# Altium PCB Motherboard.PcbDoc (continued)
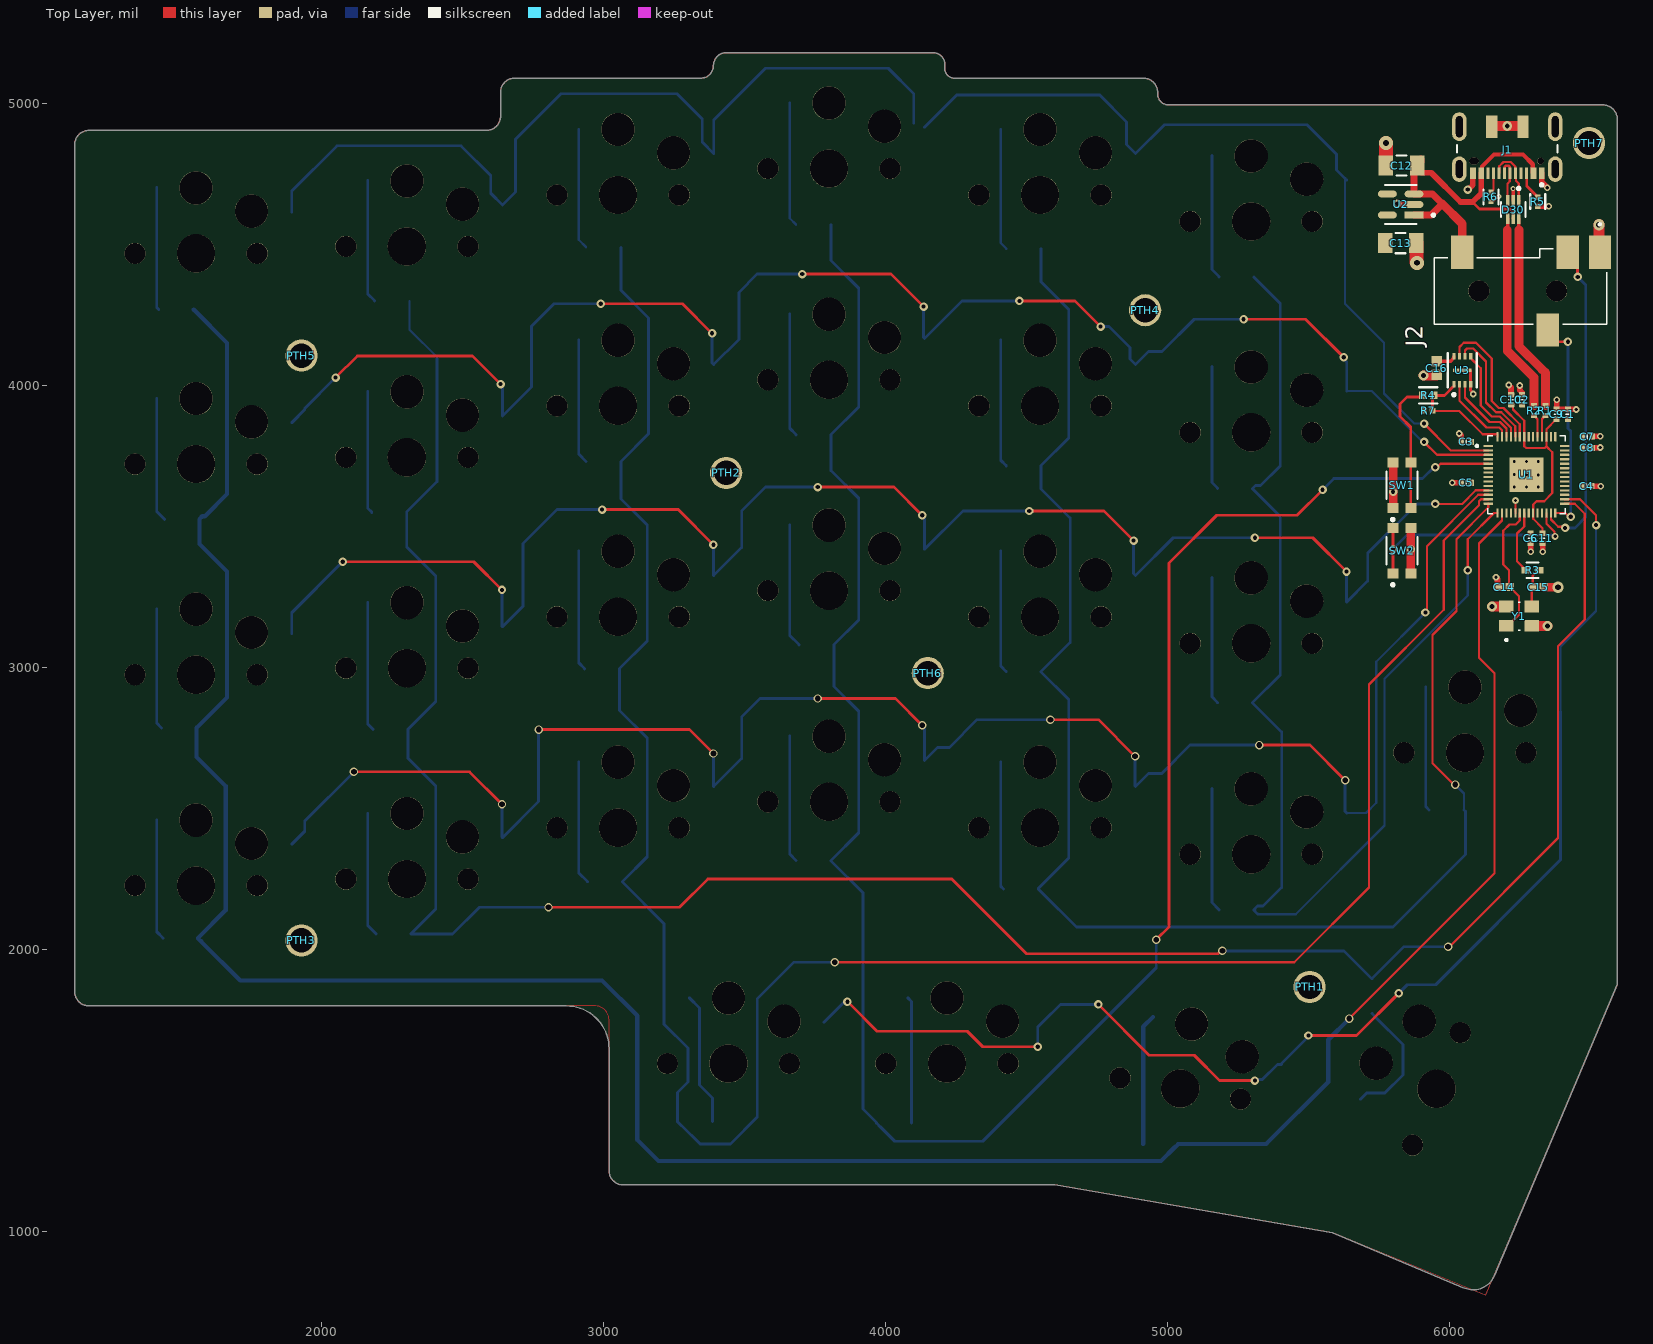
[diagram p0: Top Layer view]
## Footprints (in the part's own frame and the unit in brackets; to place one, negate y for a bottom-side part, rotate by r counter-clockwise, add the part's x,y. Pads: shape width x height; smd on the part's side, far side on the other; paste and mask are expansions set on the pad)
CAPC0402(1005)60_L [mm] "Chip Capacitor, Body 1.0x0.5mm, Height 0.6mm, IPC High Density"
  rrect25% 0.5x0.55 smd: 1(-0.45,0) 2(0.45,0)
  silkscreen extent 0,-0.2 0,0.2, body extent -0.5,-0.25 0.5,0.25, height 0.6
CAPC1005X60X26ML10T16 [mm] "Chip Capacitor, 2-Leads, Body 1.00x0.50mm, IPC Low Density"
  rect 0.78x0.74 smd: 1(-0.49,0) 2(0.49,0)
  body extent -0.55,-0.3 0.55,0.3, height 0.6
CAPC1608X90X40NL10T20 [mm] "Chip Capacitor, 2-Leads, Body 1.70x0.90mm, IPC Medium Density"
  rect 0.95x0.95 smd: 1(-0.625,0) 2(0.625,0)
  body extent -0.85,-0.45 0.85,0.45, height 0.9
CUI_SJ-43514-SMT-TR [mm]
  rect 2x3 smd: 1(0,0) 2(12.4,0) 3(4.7,7) 4(2.9,0)
  round 1.9 hole 1.9 unplated: ""(3.9,3.5) ""(10.9,3.5)
  silkscreen extent -0.6,-2.6 14.9,6.5, body extent -2.09,-1.02 15.04,7.98, height 5.04
FP-1206-L_3_2_0_2-W_1_6_0-IPC_B [mil]
  rect 51.36x71.11 smd paste+0 mask+0: 1(-55.15,0) 2(55.15,0)
  silkscreen extent -18,-36 18,36, body extent -91,-45 91,45, height 10
FP-DX07S016JA1R1500-MFG [mm]
  rrect100% 1.3x2.3 hole 1.6 slot 0.6 at 0 deg paste-2539.97 mask+0: 1(-4.32,2.825) 2(4.32,2.825)
  rrect100% 1.3x2.6 hole 1.9 slot 0.6 at 0 deg paste-2539.97 mask+0: 3(-4.32,-1) 6(4.32,-1)
  rect 1x2 smd paste+0 mask+0: 4(-1.4,-1) 5(1.4,-1)
  rect 0.52x1 smd paste+0 mask+0: A1/B12(-3.1,3.2) A4/B9(-2.35,3.2) A12/B1(3.1,3.2) B4/A9(2.35,3.2)
  rect 0.27x1 smd paste+0 mask+0: A5(-1.75,3.2) A6(-0.25,3.2) A7(0.75,3.2) A8(1.75,3.2) B5(1.25,3.2) B6(0.25,3.2) B7(-0.75,3.2) B8(-1.25,3.2)
  round 0.6 hole 0.6 unplated paste-2539.97 mask+0: ""(-3,2.1)
  rrect100% 0.85x0.6 hole 0.6 slot 0.85 at 0 deg unplated paste-2539.97 mask+0: ""(3,2.1)
  silkscreen extent -4.52,0.67 4.52,4.37, body extent -5.07,-3.75 5.07,4.08, height 0.25
FP-KMR631NG_ULC_LFS-MFG [mm]
  rect 0.9x1 smd paste+0 mask+0: 1(-2.05,0.8) 2(2.05,0.8) 3(-2.05,-0.8) 4(2.05,-0.8)
  silkscreen extent -3.2,-1.4 1.22,1.4, body extent -2.6,-1.5 2.6,1.5, height 0.25
FP-RN73R1E-IPC_C [mil]
  rect 19.2x18.6 smd paste+0 mask+0: 1(-16.3,0) 2(16.3,0)
  silkscreen extent -26,-27 26,27, body extent -30,-15 30,15, height 10
FP-SOD123-MFG [mm]
  rect 0.9x0.95 smd paste+0 mask+0: 1(-1.575,0) 2(1.575,0)
  silkscreen extent -2.75,-0.85 0.75,0.85, body extent -1.85,-0.77 1.85,0.77, height 1.45
FP-SOT25-IPC_A [mm]
  rect 1.707x0.616 smd paste+0 mask+0: 1(-1.201,0.95)
  rrect100% 1.707x0.616 smd paste+0 mask+0: 2(-1.201,0) 3(-1.201,-0.95) 4(1.201,-0.95) 5(1.201,0.95)
  silkscreen extent -3.08,-1.75 1.4,1.75, body extent -2.55,-2 2.55,2, height 0.25
FP-SOT-666-MFG [mm]
  rect 0.99x0.3 smd paste+0 mask+0: 1(-0.805,0.5) 2(-0.805,0) 3(-0.805,-0.5) 4(0.805,-0.5) 5(0.805,0) 6(0.805,0.5)
  silkscreen extent -2.02,-1.1 0.65,1.1, body extent -1.4,-0.95 1.4,0.95, height 0.25
FP-TFCR0402-IPC_A [mil]
  rect 26.19x26.48 smd paste+0 mask+0: 1(-19.83,0) 2(19.83,0)
  silkscreen extent -33,-29 33,29, body extent -41,-21 41,21, height 10
FP-TFCR0402-MFG [mm]
  rect 0.8x0.6 smd paste+0 mask+0: 1(-0.6,0) 2(0.6,0)
  silkscreen extent -0.53,-0.7 0.53,0.7, body extent -1.1,-0.4 1.1,0.4, height 0.25
FP-UX-MFG [mm]
  rect 0.6x0.3 smd paste-1000 mask-1000: 1(-1.25,0.75) 2(-1.25,0.25) 3(-1.25,-0.25) 4(-1.25,-0.75) 5(1.25,-0.75) 6(1.25,-0.25) 7(1.25,0.25) 8(1.25,0.75)
  rect 0.3x1.7 smd paste-1000 mask+0: 9(0,0)
  silkscreen extent -2.32,-1.3 1.55,1.3, body extent -1.75,-1.15 1.75,1.15, height 0.25
Mounting_Holes#1 [mm]
  round 2.9 hole 2.2: 1(-0.076,1.549)
Mounting_Holes#2 [mm]
  round 2.9 hole 2.2: 1(0,0)
Mounting_Holes#3 [mm]
  round 2.9 hole 2.2: 1(-0.203,-1.118)
Mounting_Holes#4 [mm]
  round 2.9 hole 2.2: 1(-3.632,14.453)
Mounting_Holes#5 [mm]
  round 2.9 hole 2.2: 1(-2.515,-1.499)
QFN40P700X700X90-57N [mm]
  rrect25% 0.84x0.2 smd mask+0.05: 2(-3.435,2.2) 3(-3.435,1.8) 4(-3.435,1.4) 5(-3.435,1) 6(-3.435,0.6) 7(-3.435,0.2) 8(-3.435,-0.2) 9(-3.435,-0.6) 11(-3.435,-1.4) 12(-3.435,-1.8) 13(-3.435,-2.2) 14(-3.435,-2.6) 29(3.435,-2.6) 30(3.435,-2.2) 31(3.435,-1.8) 32(3.435,-1.4) 34(3.435,-0.6) 35(3.435,-0.2) 36(3.435,0.2) 37(3.435,0.6) 38(3.435,1) 39(3.435,1.4) 40(3.435,1.8) 41(3.435,2.2) IOVDD(-3.435,-1) IOVDD(-3.435,2.6) IOVDD(3.435,-1) IOVDD(3.435,2.6)
  rrect25% 0.2x0.84 smd mask+0.05: 15(-2.6,-3.435) 16(-2.2,-3.435) 17(-1.8,-3.435) 18(-1.4,-3.435) 19(-1,-3.435) 20(-0.6,-3.435) 21(-0.2,-3.435) 24(1,-3.435) 25(1.4,-3.435) 26(1.8,-3.435) 27(2.2,-3.435) 28(2.6,-3.435) 43(2.6,3.435) 44(2.2,3.435) 45(1.8,3.435) 46(1.4,3.435) 47(1,3.435) 48(0.6,3.435) 51(-0.6,3.435) 52(-1,3.435) 53(-1.4,3.435) 54(-1.8,3.435) 55(-2.2,3.435) 56(-2.6,3.435) DVDD(-0.2,3.435) DVDD(0.6,-3.435) IOVDD(0.2,-3.435) IOVDD(0.2,3.435)
  rect 3.1x3.1 smd paste-0.57 mask+0.05: 57(0,0)
  silkscreen extent -4.57,-3.5 3.5,3.5, body extent -3.5,-3.5 3.5,3.5, height 0.9
RESC0402(1005)_L [mm] "Chip Resistor, Body 1.0x0.5mm, IPC High Density"
  rect 0.45x0.55 smd: 1(-0.45,0) 2(0.45,0)
  body extent -0.52,-0.27 0.53,0.28, height 0.4
RESC1005X40X25LL10T10 [mm] "Chip Resistor, 2-Leads, Body 1.00x0.50mm, IPC High Density"
  rect 0.55x0.5 smd: 1(-0.375,0) 2(0.375,0)
  body extent -0.55,-0.3 0.55,0.3, height 0.4
SW_5118 [mm]
  rect 2.6x2.6 smd: 1(-3.535,-5.926) 2(8.615,-3.726)
  round 1.902 hole 1.902 unplated: ""(-5.5,0) ""(5.5,0)
  round 3 hole 3 unplated: ""(0,-5.9) ""(5,-3.8)
  round 3.452 hole 3.452 unplated: ""(0,0)
  silkscreen extent -4.21,-8.25 7.56,-1.4, body extent -4.04,-8.25 9.12,-1.4, height 1.85
XTAL_ABM8-272-T3 [mm]
  rect 1.05x1.3 smd: 1(-0.875,1.15) 3(0.875,-1.15) GND(-0.875,-1.15) GND(0.875,1.15)
  silkscreen extent -2.24,-0.09 1.25,1.25, body extent -1.25,-1.6 1.25,1.6, height 0.7

## Part data
C1 C9: library part CMP-001-00063-3, "Chip Capacitor, 1µF +/-20%, 10V, 0402, Thickness 0.6 mm", Case/Package=0402, Max Operating Temperature=85°C, Min Operating Temperature=-55°C, Tolerance=10%, Voltage Rating=10V, Mounting Technology=SMT, Pins=2
C2 C3 C4 C5 C6 C7 C8 C10 C11: library part CMP-001-00065-4, "Chip Capacitor, 100nF +/-20%, 25V, 0402, Thickness 0.6 mm", Case/Package=0402, Max Operating Temperature=85°C, Min Operating Temperature=-55°C, Tolerance=10%, Voltage Rating=25V, Mounting Technology=SMT, Pins=2
C12 C13: library part CMP-04427-010925-1, "Automotive Ceramic Capacitor, 1206, 1uF, 5%, X7R, 15%, 50V", Case/Package=1206, Dielectric=X7R, Max Operating Temperature=125°C, Min Operating Temperature=-55°C, Package Quantity=2000, Ratings=AEC-Q200, Tolerance=5%, Voltage Rating=50V, Capacitance=1uF, Length=0.126inch, Mount="Surface Mount", Packaging="Tape and Reel", RoHS Compliant=Yes, Thickness=0.037inch, Voltage Rating (DC)=50V, Width=0.063inch
C14 C15: library part CMP-2008-01107-1, Manufacturer=Vitramon, Part Number=VJ0402A150JXAAP
C16: library part CMP-001-00017-6, "Chip Capacitor, 100 nF, +/- 10%, 50 V, 0603 (1608 Metric)", Capacitor Type=Ceramic, Case/Package=0603, Max Operating Temperature=125°C, Min Operating Temperature=-55°C, Tolerance=10%, Voltage Rating=50V, Mounting Technology=SM, Pins=2, RoHS Compliant=True
D1 D2 D3 D4 D5 D6 D7 D8 D9 D10 D11 D12 D13 D14 D15 D16 D17 D18 D19 D20 D21 D22 D23 D24 D25 D26 D27 D28 D29: library part CMP-12791-000005-1, "DIODE GEN PURP 100V 150MA SOD123", Capacitance=2pF, Forward Current=300mA, Manufacturer="Diodes Inc.", Max Junction Temp=+150°C, Max Repetitive Reverse Voltage=100V, Max Surge Forward Current=1A, Package=SOD123, Peak Reverse Current=1uA, Temperature="-65°C to +150°C", Temperature Range Low=-65°C, Automotive=No, Category=Diode, ComponentLink2Description=Datasheet, ComponentLink2URL=https://upverter.com/datasheet/628e7d6fee5901eee6eef4567d1c3569f2cd3cde.pdf, Device Class L1="Discrete Semiconductors", Device Class L2=Diodes, Device Class L3="Rectifier Diodes", Digikey Description="DIODE GEN PURP 100V 150MA SOD123", Footprint Url=https://www.diodes.com/assets/Package-Files/SOD123.pdf, Height=1.45mm, Lead Free=Yes, Manufacturer Part Number=1N4148W-13-F, Mouser Description="1N4148W Series 2 A 100 V 400 mW Surface Mount Fast Switching Diode - SOD-123", Octopart=https://octopart.com/1n4148w-13-f-diodes+inc.-2359612, Reverse Voltage=100V, RoHS=TRUE, Standoff Height=0mm, Temperature Range High=+150°C
D30: library part CMP-12225-000058-1, "TVS DIODE 5.25V 17V SOT666", Breakdown Voltage=6V, Capacitance=3.5pF, Case/Package=SOT-666, Clamping Voltage=17V, Leakage Current=150nA, Max Operating Temperature=125°C, Min Operating Temperature=-40°C, Operating Supply Voltage=5V, Package Quantity=1, Peak Pulse Current=5A, Power Line Protection=Yes, Test Current=1mA, Contact Plating=Tin, Depth=1.3mm, Direction=Unidirectional, Element Configuration=Dual, ESD Protection=Yes, Height=0.6mm, Lead Free="Lead Free", Length=1.7mm, Max Breakdown Voltage=6V, Max Reverse Leakage Current=150nA, Min Breakdown Voltage=6V, Mount="Surface Mount", Number of Bidirectional Channels=2, Number of Channels=2, Number of Elements=1, Number of Pins=6, Packaging="Tape and Reel", Polarity=Unidirectional, Radiation Hardening=No, REACH SVHC="No SVHC", Reverse Breakdown Voltage=6V, Reverse Standoff Voltage=5V, Termination=SMD/SMT, Width=1.3mm, Working Voltage=5V
J1: library part CMP-19038-000003-1, "CONN RCP USB2.0 TYP C 24P SMD RA"
J2: Package=None, Availability=Unavailable, MP=SJ-43514-SMT-TR, Price=None
R1 R2: library part CMP-1011-00332-1, "27R4 0.063W 1% 0402 (1005 Metric)  SMD", Case-EIA=0402, Case-Metric=1005, Power="0.063 W", Tolerance="1 %", Technology=SMT
R3: library part CMP-250906-284451-1, "RES Thin Film,  1kΩ, 0.1%, 0.063W, 25ppm/°C, 0402", RoHS Compliant=Yes
R4: library part CMP-250906-139306-1, "RES Thin Film,  1kΩ, 0.1%, 0.063W, 25ppm/°C, 0402"
R5 R6: library part CMP-04015-008529-1, "5.1kΩ ±1% 0.063W, 1/16W Chip Resistor 0402 (1005 Metric) Moisture Resistant Thin Film"
R7: library part CMP-2002-04584-1, Manufacturer="KOA Speer", Part Number=SG73P1ETTP1002F
S1 S2 S3 S4 S5 S6 S7 S8 S9 S10 S11 S12 S13 S14 S15 S16 S17 S18 S19 S20 S21 S22 S23 S24 S25 S26 S27 S28 S29: "SWITCH SKT FOR KAILH CHOC 1=10PC", Package="NON STANDARD-2 Adafruit", Check_prices=https://www.snapeda.com/parts/5118/Adafruit+Industries/view-part/?ref=eda, MF="Adafruit Industries LLC", MP=5118, SnapEDA_Link=https://www.snapeda.com/parts/5118/Adafruit+Industries/view-part/?ref=snap
SW1 SW2: library part CMP-10040-000019-1, "SWITCH TACTILE SPST-NO 50MA 32V", Max Operating Temperature=85°C, Min Operating Temperature=-40°C, Operating Force=300gf, Ratings=IP67, Actuator Type=Standard, Illumination Type=Non-Illuminated, Mechanical Life=150000Cycles, Mount="Surface Mount", Packaging="Tape and Reel", Switch Function=Off-Mom, Termination="Gull Wing", Throw Configuration=SPST
U1: "RP2040 chip for Raspberry Pi Pico - ARM® Cortex®-M0+ MCU 32-Bit", Package=None, Check_prices=https://www.snapeda.com/parts/RP2040/Raspberry+Pi/view-part/?ref=eda, MF="Raspberry Pi", MP=RP2040, SnapEDA_Link=https://www.snapeda.com/parts/RP2040/Raspberry+Pi/view-part/?ref=snap
U2: library part CMP-12756-000035-1, "IC REG LINEAR 3.3V 600MA SOT25", Case/Package=SOT-23-5, Dropout Voltage=250mV, Max Input Voltage=6V, Max Operating Temperature=85°C, Max Output Current=600mA, Min Input Voltage=2.5V, Min Operating Temperature=-40°C, Output Voltage=3.3V, Package Quantity=1, Quiescent Current=55uA, Accuracy=1.5%, Height=1.3mm, Lead Free="Lead Free", Length=3.1mm, Mount="Surface Mount", Number of Outputs=1, Number of Pins=5, Number of Regulators=1, Output Current=600mA, Output Type=Fixed, Packaging="Tape and Reel", Polarity=Positive, Width=1.7mm
U3: library part CMP-78876-000011-1, "IC FLASH 16MBIT SPI/QUAD 8USON", RoHS Compliant=Yes
Y1: "12 MHz Â±30ppm Crystal 10pF 50 Ohms 4-SMD, No Lead", Package="NON-STANDARD-4 Abracon", Check_prices=https://www.snapeda.com/parts/ABM8-272-T3/Abracon/view-part/?ref=eda, MF=ABRACON, MP=ABM8-272-T3, SnapEDA_Link=https://www.snapeda.com/parts/ABM8-272-T3/Abracon/view-part/?ref=snap

## Via types
v1: diameter 30, hole 15, Top Layer to Bottom Layer, 43 vias
v2: diameter 30, hole 20, Top Layer to Bottom Layer, 17 vias
v3: diameter 23.62, hole 11.81, Top Layer to Bottom Layer, 16 vias
v4: diameter 20, hole 10, Top Layer to Bottom Layer, 9 vias
v5: diameter 35, hole 17, Top Layer to Bottom Layer, 4 vias
v6: diameter 18, hole 8, Top Layer to Bottom Layer, 2 vias
v7: diameter 50, hole 20, Top Layer to Bottom Layer, 2 vias
v8: diameter 40, hole 20, Top Layer to Bottom Layer, 2 vias
v9: diameter 25, hole 12, Top Layer to Bottom Layer, 1 vias

## Nets (pads, with @x,y where several pads share a name; then routed paths per layer and width w, separated by ;. In a path a pad name is that pad's centre, name@x,y a point inside that pad or via, vN(x,y) a via of type N, cw(c..) or ccw(c..) an arc to the next point about the centre after c; other vN are vias at no path point)
+1.1V: C9.2 C10.2 C11.2 U1.45 U1.DVDD | length 734.8
  Top Layer w8: C10.2@6225,3932.28 6225,3915 6265.27,3874.73 6265.27,3818.54 6265.27,3784.73 6272,3778 6338,3778 6344.01,3784.01 ; C11.2 6330,3494 6296.83,3527.17 6296.83,3548 6296.76,3548.06 6296.83,3548.13 6296.83,3577.83 6309,3590 6336,3590 6365,3619 6365,3763.02 6344.01,3784.01 ; C9.2 6379.02,3880.28 6344.01,3845.28 U1.45 6344.01,3784.01
+3.3V: C1.1 C2.1 C3.1 C4.1 C5.1 C6.1 C7.1 C8.1 C13.1 C16.1 R7.2 U1.43 U1.44 U1.48 U1.IOVDD U2.5 U3.8 | length 71.3
  Top Layer w12: C16.1 6004.84,4086.61 6015.94,4097.71 U3.8
+5V: C12.1 D30.5 J1.A4/B9 J1.B4/A9 J2.2 U2.1 U2.3 | length 1390.8
  Top Layer w10: 6081.97,4650.97 6106.93,4626 6216,4626 6226,4616 D30.5 D30.5@6225.09,4593.21
  Top Layer w15: J1.B4/A9 6115.33,4755.38 6115.33,4776.33 6158,4819 6261,4819 6295.49,4784.51 6295.49,4754.79 J1.A4/B9
  Top Layer w20: C12.1 5885.15,4770.13 5900.83,4754.44 5935.56,4754.44 6039.03,4650.97 6081.97,4650.97 6112.6,4681.6 J1.B4/A9
  Top Layer w23: C12.1@5874.27,4769.12 C12.1
  Top Layer w25: U2.1 5935.6,4604.6 5974.06,4643.06 5974.06,4644.94 5939.6,4679.4 U2.3 C12.1@5874.27,4769.12 ; C12.1 5898.33,4793.18 C12.1@5898.33,4803.33
  Top Layer w30: 5974.06,4644.94 6045.35,4573.65 J2.2
GND: C1.2 C2.2 C3.2 C4.2 C5.2 C6.2 C7.2 C8.2 C9.1 C10.1 C11.1 C12.2 C13.2 C14.1 C15.1 C16.2 D30.2 J1.1 J1.2 J1.3 J1.4 J1.5 J1.6 J1.A1/B12 J1.A12/B1 J2.1 R5.2 R6.2 SW1.1 SW1.2 SW2.3 SW2.4 U1.19 U1.57 U2.2 U3.4 U3.9 Y1.GND | length 1777.5
  Top Layer w8: U1.19 U1.19 6233.83,3591.83 v3(6234,3592)
  Top Layer w10: U3.9 6073.03,4054.21 U3.9@6075,4052.24 ; v3(6085,3970) v3@6085,3972.15 ; R6.2 6147,4653 6151.3,4657.3 6159.13,4657.3 6172.84,4671 v6(6175,4671)
  Top Layer w11: U3.9@6075,4052.24 U3.4 6075,3982.15 v3@6085,3972.15
  Top Layer w12: D30.2 v6(6226,4698)
  Top Layer w18: R5.2 6351.7,4635.7 v3(6352,4636)
  Top Layer w19: C9.1@6381.27,3915.43 C1.2 6420.22,3915.22 6449.78,3915.22 v3(6450,3915)
  Top Layer w20: v1(5815,4645) 5817.71,4645 5819.89,4642.81 5873.45,4642.81 U2.2 ; v3(6010,3655) C5.2 ; v3(6035,3830) 6035,3829.02 6042.13,3821.89 6042.13,3800.16 C3.2 ; v1(6065,4695) 6066.74,4695 6083.07,4711.34 J1.A12/B1 ; v3(6165,3320) 6165,3319.02 6170.35,3313.67 6170.35,3289.57 6174.92,3285 C14.1 ; v3(6210,4002) 6210,4001.02 6218.17,3992.85 C10.1@6218.17,3967.87 ; v3(6249,4000) 6249.69,3999.31 6249.69,3983.02 C2.2@6258.69,3974.02 ; v3(6288,3411) C6.2 ; J1.A1/B12 6327.4,4752.41 6327.4,4721.58 6347,4701.98 v3(6347,4701) ; C11.1 6330.34,3440.28 6330.5,3440.13 6330.5,3411.5 v3(6331,3411) ; C9.1 C9.1@6380.67,3915.72 ; v3(6380,3950) 6380,3915.87 C9.1@6380.16,3915.72 ; C4.2 v3(6536,3643) ; C8.2 6506.43,3779.34 6506.59,3779.5 6534.5,3779.5 v3(6535,3780) ; C7.2 6506.72,3819.34 6506.87,3819.5 6534.5,3819.5 v3(6535,3820)
  Top Layer w30: SW1.1 v1(5800,3623) SW1.2 ; SW2.3 v1(5863,3419) SW2.4 ; C15.1 v8(6385,3285)
  Top Layer w35: v5(5908,4036) C16.2@5953.61,4036 ; J1.5 6152,4920 6258.24,4920 J1.4 ; v5(6151,3216) 6201.28,3216 Y1.GND@6201.72,3216.45 ; Y1.GND@6292.28,3147.55 6292.83,3147 v5(6348,3147)
  Top Layer w40: v8(6530,4570) 6530,4476.34 J2.1
  Top Layer w50: C12.2 5775,4780.15 v7(5775,4860) ; C13.2 5882.83,4504.32 5882.83,4437.17 v7(5885,4435)
  other v4: 6230,3640 6273,3640 6315,3640 6273.14,3683.3 6315,3683 6230,3684 6230,3730 6273,3730 6315,3730
  other v5: 6205,4920
NetC15_2: C15.2 R3.1 Y1.3 | length 141.8
  Top Layer w8: Y1.3 6292.28,3281.57 C15.2 6295.71,3326.02 6314.68,3345 R3.1
NetD1_1: D1.1 D6.1 D11.1 D16.1 D21.1 U1.16 | length 9522.4
  Top Layer w8: v2(5645,1755) 6160,2270 6160,2980 6105,3035 6105,3440 6186.53,3521.53 U1.16
  Bottom Layer w15: D1.1 1547.01,4269.02 1665,4151.02 1665,3615 1586.2,3536.2 1577.22,3536.2 1567.01,3525.98 D6.1 1567.01,3437.99 1665,3340 1665,2893.98 1557.01,2785.98 D11.1 1557.01,2682.99 1660,2580 1660,2138.98 1562.01,2040.98 D16.1 1562.01,2039.02 1572.22,2028.8 1573.21,2028.8 1712.01,1890 2995,1890 3120,1765 3120,1325 3195,1250 4977.01,1250 5025.81,1298.8 5026.79,1298.8 5037.01,1309.02 D21.1 5350,1310 5570,1530 5570,1680 v2(5645,1755)
NetD1_2: D1.2 S1.1 | length 434.7
  Bottom Layer w10: S1.1 1415.94,4277.05 D1.2
NetD2_1: D2.1 D7.1 D12.1 D17.1 D26.1 U1.29 | length 8276
  Top Layer w8: v2(5995,2010) 6000,2010 6385,2395 6385,3075 6480,3170 6480,3545 6444.06,3580.94 U1.29
  Top Layer w10: v2(2805,2150) 3270,2150 3370,2250 4235,2250 4500,1985 5179.59,1985 5189.59,1995 v2(5195,1995)
  Bottom Layer w8: D2.1 2312.01,4197.99 2410,4100
  Bottom Layer w10: 2410,4100 2410,3658.98 2302.01,3550.98 D7.1 2302.01,3427.99 2405,3325 2405,2878.98 2307.01,2780.98 D12.1 2307.01,2677.99 2405,2580 2405,2143.98 2317.01,2055.98 D17.1 2465,2055 2560,2150 v2(2805,2150) ; v2(5195,1995) 5626.02,1995 5724.02,1897.01 D26.1 5725.98,1897.01 5838.98,2010 v2(5995,2010)
NetD2_2: D2.2 S2.1 | length 436.6
  Bottom Layer w10: S2.1 2163.66,4325.31 2187.99,4300.98 D2.2
NetD3_1: D3.1 D8.1 D13.1 D18.1 D23.1 U1.13 | length 8125.1
  Top Layer w8: v2(3820,1955) 5450,1955 5715,2220 5715,2940 5980,3205 5980,3450 6105,3575 6105,3590 6111.69,3596.68 U1.13
  Bottom Layer w10: D3.1 3062.01,4337.99 3160,4240 3160,3828.98 3062.01,3730.98 D8.1 3062.01,3597.99 3155,3505 3155,3093.98 3057.01,2995.98 D13.1 3057.01,2847.99 3155,2750 3155,2328.98 3067.01,2240.98 D18.1 3067.01,2239.02 3215,2091.02 3215,1735 3300,1650 3300,1530.35 3262.99,1493.35 D23.1 3262.99,1389.02 3275.71,1376.3 3276.69,1376.3 3342.99,1310 3450,1310 3545,1405 3545,1825 3675,1955 v2(3820,1955)
NetD3_2: D3.2 S3.1 | length 429.6
  Bottom Layer w8: S3.1 2912.38,4516.6 2937.99,4490.98 D3.2
NetD4_1: D4.1 D9.1 D14.1 D19.1 D28.1 U1.5 | length 7493.8
  Top Layer w8: v1(5950,3710) 5955.95,3710 5968.62,3722.67 U1.5
  Top Layer w10: v2(4960,2035) 5005,2080 5005,3370 5175,3540 5460,3540 v1(5550,3630)
  Bottom Layer w10: D4.1 3807.01,4442.99 3905,4345 3905,3923.98 3807.01,3825.98 D9.1 3807.01,3697.99 3905,3600 3905,3168.98 3817.01,3080.98 D14.1 3817.01,2932.99 3905,2845 3905,2413.98 3807.01,2315.98 D19.1 3807.01,2314.02 3920,2201.02 3920,1433.98 3967.99,1385.98 D28.1 3967.99,1384.02 3980.71,1371.3 3981.69,1371.3 4032.99,1320 4345,1320 4960,1935 v2(4960,2035) ; v1(5550,3630) 5590,3670 5905,3670 5945,3710 v1(5950,3710)
NetD4_2: D4.2 S4.1 | length 442.1
  Bottom Layer w8: S4.1 3660.47,4593.5 3682.99,4570.98 D4.2
NetD5_1: D5.1 D10.1 D15.1 D20.1 D25.1 U1.14 | length 5577.1
  Top Layer w8: v2(6020,2585) 6015,2585 5940,2660 5940,3115 6025,3200 6025,3455 6137.91,3567.91 U1.14
  Bottom Layer w8: v2(6020,2585) 6052.01,2552.99 D25.1
  Bottom Layer w10: D5.1 4552.01,4367.99 4650,4270 4650,3813.98 4552.01,3715.98 D10.1 4552.01,3632.99 4655,3530 4655,3088.98 4552.01,2985.98 D15.1 4552.01,2984.02 4650,2886.02 4650,2323.98 4542.01,2215.98 D20.1 4542.01,2214.02 4554.72,2201.3 4555.71,2201.3 4677.01,2080 5800,2080 6057.01,2337.01 6057.01,2490 D25.1
NetD5_2: D5.2 S5.1 | length 431.9
  Bottom Layer w8: S5.1 4408.81,4505.17 4427.99,4485.98 D5.2
NetD6_2: D6.2 S6.1 | length 441
  Bottom Layer w10: S6.1 1415.94,3553.03 1442.99,3525.98 D6.2
NetD7_2: D7.2 S7.1 | length 434.6
  Bottom Layer w10: S7.1 2163.66,3565.31 2177.99,3550.98 D7.2
NetD8_2: D8.2 S8.1 | length 441.6
  Bottom Layer w10: S8.1 2912.38,3756.6 2937.99,3730.98 D8.2
NetD9_2: D9.2 S9.1 | length 438
  Bottom Layer w10: S9.1 3660.47,3848.5 3682.99,3825.98 D9.2
NetD10_2: D10.2 S10.1 | length 454
  Bottom Layer w10: S10.1 4408.81,3735.17 4427.99,3715.98 D10.2
NetD11_2: D11.2 S11.1 | length 429.7
  Bottom Layer w10: S11.1 1415.94,2803.03 1432.99,2785.98 D11.2
NetD12_2: D12.2 S12.1 | length 459
  Bottom Layer w10: S12.1 2163.83,2800.15 2182.99,2780.98 D12.2
NetD13_2: D13.2 S13.1 | length 426.6
  Bottom Layer w10: S13.1 2912.38,3016.6 2932.99,2995.98 D13.2
NetD14_2: D14.2 S14.1 | length 439.5
  Bottom Layer w10: S14.1 3660.47,3113.5 3692.99,3080.98 D14.2
NetD15_2: D15.2 S15.1 | length 436
  Bottom Layer w10: S15.1 4408.81,3005.16 4427.99,2985.98 D15.2
NetD16_2: D16.2 S16.1 | length 428.8
  Bottom Layer w10: S16.1 1415.94,2063.03 1437.99,2040.98 D16.2
NetD17_2: D17.2 S17.1 | length 440.1
  Bottom Layer w10: S17.1 2163.83,2085.15 2192.99,2055.98 D17.2
NetD18_2: D18.2 S18.1 | length 437.7
  Bottom Layer w10: S18.1 2912.38,2271.6 2942.99,2240.98 D18.2
NetD19_2: D19.2 S19.1 | length 451.4
  Bottom Layer w10: S19.1 3660.47,2338.5 3682.99,2315.98 D19.2
NetD20_2: D20.2 S20.1 | length 453.8
  Bottom Layer w10: S20.1 4408.81,2224.18 D20.2
NetD21_2: D21.2 S21.1 | length 465.5
  Bottom Layer w15: D21.2 4913.8,1310.8 4913.8,1725.96 S21.1
NetD22_1: D22.1 D24.1 D27.1 D29.1 U1.15 | length 4392
  Top Layer w8: v1(6065,3345) 6065,3455 6158.06,3548.06 U1.15
  Bottom Layer w8: 5430,2125 5455,2125 5770,2440 5770,2960 6065,3255 v1(6065,3345)
  Bottom Layer w10: D22.1 5307.01,4384.02 5400,4291.02 5400,3715 5330,3645 5312.01,3645 D27.1 5302.01,3634.02 5400,3536.02 5400,2973.98 5302.01,2875.98 D24.1 5302.01,2874.02 5405,2771.02 5405,2220 5338.7,2153.7 5319.72,2153.7 5307.01,2140.98 D29.1 5307.01,2139.02 5319.72,2126.3 5320.71,2126.3 5322.01,2125 5430,2125
NetD22_2: D22.2 S22.1 | length 440.8
  Bottom Layer w10: S22.1 5157.53,4411.45 5182.99,4385.98 D22.2
NetD23_2: D23.2 S23.1 | length 473.1
  Bottom Layer w10: S23.1 3340,1792.68 3340,1520 3387.01,1472.99 D23.2
NetD24_2: D24.2 S24.1 | length 452.5
  Bottom Layer w10: S24.1 5157.53,2896.45 5177.99,2875.98 D24.2
NetD25_2: D25.2 S25.1 | length 441.1
  Bottom Layer w10: S25.1 5915.83,2507.17 D25.2
NetD26_2: D26.2 S26.1 | length 450.2
  Bottom Layer w10: S26.1 5706.79,1490.82 5770.82,1490.82 5835,1555 5835,1662.99 5738.7,1759.29 5738.7,1760.28 5725.98,1772.99 D26.2
NetD27_2: D27.2 S27.1 | length 440.5
  Bottom Layer w10: S27.1 5157.53,3656.45 5177.99,3635.98 D27.2
NetD28_2: D28.2 S28.1 | length 449.1
  Bottom Layer w10: S28.1 4092.01,1815.67 D28.2
NetD29_2: D29.2 S29.1 | length 441.6
  Bottom Layer w10: S29.1 5157.53,2166.45 5182.99,2140.98 D29.2
NetJ1_A5: J1.A5 R5.1 | length 100.5
  Top Layer w10: J1.A5 6274.02,4707.59 6313,4668.6 R5.1
NetJ1_B5: J1.B5 R6.1 | length 71
  Top Layer w8: R6.1 6147,4685.6 6155.91,4694.51 J1.B5
NetR1_1: R1.1 U1.46 | length 80.8
  Top Layer w8: U1.46 6328.26,3881.54 6333.17,3886.46 6333.17,3888.43 6338.03,3893.28 R1.1
NetR2_1: R2.1 U1.47 | length 81.1
  Top Layer w8: R2.1 6301.97,3893.28 6306.83,3888.43 6306.83,3886.46 6312.51,3880.77 U1.47
NetR4_1: R4.1 SW1.3 SW1.4 | length 478.3
  Top Layer w10: SW1.3 SW1.4 5862.99,3852.01 5825,3890 5825,3935 5849.31,3959.31 5899.49,3959.31 R4.1
NetS1_2: S1.2 S2.2 S3.2 S4.2 S5.2 S22.2 U1.2 | length 6323.6
  Top Layer w8: v1(5910,3865) 6005.09,3769.91 U1.2
  Bottom Layer w8: S22.2@5629.75,4734.75 5630,4734.5 5630,4290 5767.9,4152.1 5767.9,3972.1 5875,3865 v1(5910,3865)
  Bottom Layer w10: S1.2 1894.29,4689.29 2055,4850 2495,4850 2600,4745 2600,4681.89 S2.2 2688.19,4686.06 2688.19,4873.19 2850,5035 3260,5035 3350,4945 3350,4863.11 S3.2 3390.72,4940.72 3575,5125 4010,5125 4100,5035 S4.2@4100,4930 ; S4.2 4252.69,5030 4760,5030 4855,4935 4855,4854.54 S5.2 4989.78,4925 5495,4925 5600,4820 5600,4764.5 S22.2@5629.75,4734.75 ; S22.2@5630,4734.5 S22.2
NetS6_2: S6.2 S7.2 S8.2 S9.2 S10.2 S27.2 U1.3 | length 5825.9
  Top Layer w8: v1(5910,3800) 5955.83,3754.17 U1.3
  Top Layer w10: v1(2050,4028) 2127,4105 2535,4105 v1(2635,4005) ; v1(2990,4290) 3280,4290 v1(3385,4185) ; v1(3705,4395) 4020,4395 v1(4135,4280) ; v1(4475,4300) 4672,4300 v1(4763,4209) ; v1(5270,4235) 5490,4235 v1(5625,4100)
  Bottom Layer w8: S27.2 5724.59,3980.41 5905,3800 v1(5910,3800)
  Bottom Layer w10: S6.2 1940.47,3914.37 1940.47,3918.47 v1(2050,4028) ; v1(2635,4005) 2635,3999.59 2642.01,3992.58 S7.2 2745,3995.08 2745,4210 2825,4290 v1(2990,4290) ; v1(3385,4185) 3385,4080.13 S8.2 3480,4163.69 3480,4330 3545,4395 v1(3705,4395) ; v1(4135,4280) 4135,4170.91 S9.2 4271.73,4300 v1(4475,4300) ; v1(4763,4209) 4793,4209 4867.27,4134.73 4867.27,4094.3 S10.2 4933.34,4120.59 4980.59,4120.59 5095,4235 v1(5270,4235) ; v1(5625,4100) 5625,4094.59 5635.87,4083.71 S27.2
NetS11_2: S11.2 S12.2 S13.2 S14.2 S15.2 S24.2 U1.11 | length 6040.4
  Top Layer w8: v1(5950,3580) 6045,3580 6093.18,3628.18 U1.11
  Top Layer w10: v1(2075,3375) 2540,3375 v1(2640,3275) ; v1(2995,3560) 3265,3560 v1(3390,3435) ; v1(3760,3640) 4030,3640 v1(4130,3540) ; v1(4510,3555) 4775,3555 v1(4880,3450) ; v1(5310,3460) 5515,3460 v1(5635,3340)
  Bottom Layer w10: S11.2 1894.29,3194.29 v1(2075,3375) ; v1(2640,3275) 2640,3146.58 S12.2 2715,3217.24 2715,3440 2835,3560 v1(2995,3560) ; v1(3390,3435) 3390,3327.13 S13.2 3490,3425.68 3490,3555 3575,3640 v1(3760,3640) ; v1(4130,3540) 4130,3534.59 4138.82,3525.77 S14.2 4274.41,3555 v1(4510,3555) ; v1(4880,3450) 4880,3333.57 S15.2 5020.75,3460 v1(5310,3460) ; v1(5635,3340) 5635,3233.28 S24.2 5710,3306.54 5710,3405 5885,3580 v1(5950,3580)
NetS16_2: S16.2 S17.2 S18.2 S19.2 S20.2 S29.2 U1.12 | length 6709
  Top Layer w8: v1(5915,3195) 5915,3200 5920,3205 5920,3430 6102.43,3612.43 U1.12
  Top Layer w10: v2(2115,2630) 2525,2630 v2(2640,2515) ; v2(2770,2780) 3305,2780 v2(3390,2695) ; v2(3760,2890) 4035,2890 v2(4130,2795) ; v2(4585,2815) 4755,2815 v2(4885,2685) ; v2(5325,2725) 5505,2725 v2(5630,2600)
  Bottom Layer w8: S29.2 5704.41,2484.41 5740,2520 5740,3020 v1(5915,3195)
  Bottom Layer w10: S16.2 1940.47,2419.27 1940.47,2455.47 v2(2115,2630) ; v2(2640,2515) 2640,2398.58 S17.2 2770,2524.24 v2(2770,2780) ; v2(3390,2695) 3390,2579.13 S18.2 3490,2677.68 3490,2825 3555,2890 v2(3760,2890) ; v2(4130,2795) 4130,2789.59 4138.82,2780.77 S19.2 4185,2716.59 4226.59,2716.59 4325,2815 v2(4585,2815) ; v2(4885,2685) 4885,2580.54 S20.2 4933.34,2624.57 4979.57,2624.57 5080,2725 v2(5325,2725) ; v2(5630,2600) 5630,2490.28 S29.2
NetS21_2: S21.2 S23.2 S25.2 S26.2 S28.2 U1.30 | length 4660.9
  Top Layer w8: U1.30 6463.31,3596.68 6520,3540 v1(6520,3505)
  Top Layer w10: v1(3865,1815) 3970,1710 4290,1710 4345,1655 v1(4540,1655) ; v1(4755,1805) 4935,1625 5095,1625 5185,1535 v1(5310,1535) ; v1(5500,1695) 5670,1695 v1(5820,1845)
  Bottom Layer w8: S25.2 6394.17,3074.17 6520,3200 v1(6520,3505)
  Bottom Layer w10: S23.2 3851.41,1811.17 3861.17,1811.17 v1(3865,1815) ; v1(4540,1655) 4540,1724.76 S28.2 4620.24,1805 v1(4755,1805) ; v1(5310,1535) 5313.83,1538.83 5336.22,1538.83 5389.81,1592.42 S21.2 5404.65,1596.04 5500,1691.38 v1(5500,1695) ; v1(5820,1845) 5850.18,1875.18 S26.2 6394.17,2318.04 S25.2
QSPI_SCLK: U1.52 U3.6 | length 438
  Top Layer w8: U3.6 6055.31,4124.31 6062,4131 6084,4131 6130,4085 6130,3940 6165,3905 6184,3905 6233.77,3855.23 U1.52
QSPI_SD0: U1.53 U3.5 | length 360.8
  Top Layer w8: U3.5 6075,4097.52 6111,4061.52 6111,3929 6150,3890 6178.38,3890 6218.02,3850.36 U1.53
QSPI_SD1: U1.55 U3.2 | length 275.9
  Top Layer w8: U3.2 6035.63,3946.37 6131,3851 6177.06,3851 6186.53,3841.53 U1.55
QSPI_SD2: U1.54 U3.3 | length 269
  Top Layer w8: U3.3 6055.31,3957.69 6142,3871 6179,3871 6202.28,3847.72 U1.54
QSPI_SD3: U1.51 U3.7 | length 505.8
  Top Layer w8: U3.7 6035.63,4136.63 6051,4152 6094,4152 6150,4096 6150,3945 6175,3920 6192,3920 6249.52,3862.48 U1.51
QSPI_SS: R4.2 R7.1 U1.56 U3.1 | length 417.1
  Top Layer w7: U3.1@6015.94,3999.09 U3.1
  Top Layer w8: R7.1@5944.83,3910 6035,3910 6118,3827 6170.72,3827 6170.78,3826.94 U1.56
  Top Layer w10: R7.1 5939.98,3910 5939.98,3960.16 R4.2 5981.85,3965 U3.1@6015.94,3999.09
RUN: SW2.1 SW2.2 U1.26 | length 855.1
  Top Layer w8: U1.26 6344.01,3509.99 6372.68,3481.32 6372.68,3467.32 v9(6375,3465)
  Top Layer w10: SW2.1 v1(5800,3420) SW2.2
  Bottom Layer w10: v1(5800,3420) 5850,3470 6361.64,3470 6363.77,3467.87 6372.13,3467.87 v9(6375,3465)
SPLIT_DATA_A: J2.3 U1.28 | length 777
  Top Layer w8: U1.28 6410.98,3548.06 6424.05,3535 v1(6430,3535)
  Top Layer w10: J2.3 6348.5,4190.37 6383.87,4155 v1(6420,4155)
  Bottom Layer w10: v1(6420,4155) 6420,3848.09 6430,3838.09 v1(6430,3535)
SPLIT_DATA_B: J2.4 U1.27 | length 1140.6
  Top Layer w8: U1.27 6359.82,3548 6359.82,3525.18 6385.79,3499.21 6405.79,3499.21 v1(6410,3495)
  Top Layer w10: J2.4 6453.74,4438.43 6453.74,4386.26 v1(6455,4385)
  Bottom Layer w10: v1(6410,3495) 6445,3495 6483.19,3533.19 6483.19,4356.81 v1(6455,4385)
USB_D_N: D30.1 D30.6 J1.A7 J1.B7 R1.2 | length 924.8
  Top Layer w8: J1.A7 6176.84,4753.89 6176.84,4777.84 6192,4793 6217,4793 6233.33,4776.67 6233.33,4753.96 J1.B7 6235.96,4751.33 6235.96,4726.04 6245.69,4716.31 D30.1
  Top Layer w12: D30.6 6245.69,4551.31 6246,4551 ; D30.1 D30.1@6245.78,4655.79
  Top Layer w31.5: 6246,4551 6246,4139.76 6328.88,4056.88 6340.87,4044.89 6340.87,3929.82 6340,3928.95 R1.2
USB_D_P: D30.3 D30.4 J1.A6 J1.B6 R2.2 | length 872.1
  Top Layer w8: J1.B6 6196.58,4753.95 6196.58,4776.23 6200,4779.66 6210.23,4779.66 6213.66,4776.23 6213.66,4753.95 J1.A6 6213.65,4751.33 6213.65,4724.02 6206.31,4716.69 D30.3
  Top Layer w12: 6205.16,4551 6206.31,4552.16 D30.4
  Top Layer w31.5: 6205.16,4551 6205.16,4122.84 6261,4067 6300,4028 R2.2
XIN: C14.2 U1.20 Y1.1 | length 482.9
  Top Layer w8: Y1.1 6206.65,3147.55 6247,3187.91 6247,3252.29 6225.65,3273.65 6225.65,3274.43 6215.08,3285 C14.2 6211.29,3288 6211.29,3344.71 6191,3365 6191,3485 6213,3507 6235,3507 6249.52,3521.52 U1.20
XOUT: R3.2 U1.21 | length 228.8
  Top Layer w8: U1.21 6265.27,3500.27 6240,3475 6240,3376.38 6259.63,3356.75 6259.63,3352.81 6267.44,3345 R3.2
pads on no net: J1. J1.A8 J1.B8 J2. PTH1.1 PTH2.1 PTH3.1 PTH4.1 PTH5.1 PTH6.1 PTH7.1 S1. S2. S3. S4. S5. S6. S7. S8. S9. S10. S11. S12. S13. S14. S15. S16. S17. S18. S19. S20. S21. S22. S23. S24. S25. S26. S27. S28. S29. U1.4 U1.6 U1.7 U1.8 U1.9 U1.17 U1.18 U1.24 U1.25 U1.31 U1.32 U1.34 U1.35 U1.36 U1.37 U1.38 U1.39 U1.40 U1.41 U2.4

## Polygon pours and split planes (outlines as drawn)
GND on Bottom Layer "NONET_L02_P003" (solid, shelved, pour order 3): 1175,1800 cw(c1175,1850) 1125,1850 1125,4855 cw(c1175,4855) 1175,4905 2585,4905 ccw(c2585,4955) 2635,4955 2635,5040 cw(c2685,5040) 2685,5090 3345,5090 ccw(c3345,5135) 3390,5135 cw(c3435,5135) 3435,5180 4170,5180 cw(c4170,5140) 4210,5140 4210,5125 ccw(c4245,5125) 4245,5090 4915,5090 cw(c4915,5040) 4965,5040 4965,5035 ccw(c5005,5035) 5005,4995 6545,4995 cw(c6545,4945) 6595,4945 6595,1876.24 6127.58,773.91 5585,995 4600,1165 3070,1165 cw(c3070,1215) 3020,1215 3020,1750 ccw(c2970,1750) 2970,1800
+3.3V on Top Layer "NONET_L01_P004" (solid, shelved, pour order 4): 1175,1800 cw(c1175,1850) 1125,1850 1125,4855 cw(c1175,4855) 1175,4905 2585,4905 ccw(c2585,4955) 2635,4955 2635,5040 cw(c2685,5040) 2685,5090 3345,5090 ccw(c3345,5135) 3390,5135 cw(c3435,5135) 3435,5180 4170,5180 cw(c4170,5140) 4210,5140 4210,5125 ccw(c4245,5125) 4245,5090 4915,5090 cw(c4915,5040) 4965,5040 4965,5035 ccw(c5005,5035) 5005,4995 6545,4995 cw(c6545,4945) 6595,4945 6595,1876.24 6127.58,773.91 5585,995 4600,1165 3070,1165 cw(c3070,1215) 3020,1215 3020,1750 ccw(c2970,1750) 2970,1800

## Silkscreen, mask and mechanical layers (free items; w line width, h text height)
Mechanical 1:
  lines w10: 6079.9,845.04 6520.04,1880.37 ; 1125,1850 ccw(c1175,1850) 1175,1800 2867.95,1800 cw(c2867.95,1647.95) 3020,1647.95 3020,1215 ccw(c3070,1215) 3070,1165 4600,1165 5585,995 6048.51,801.07 ccw(c6084,875.08) 6160.46,845.21 6595,1876.24 6595,1940 6595,1955 6595,2000 6595,2030 6595,4945 ccw(c6545,4945) 6545,4995 5005,4995 cw(c5005,5035) 4965,5035 4965,5040 ccw(c4915,5040) 4915,5090 4245,5090 cw(c4245,5125) 4210,5125 4210,5140 ccw(c4170,5140) 4170,5180 3435,5180 ccw(c3435,5135) 3390,5135 cw(c3345,5135) 3345,5090 2685,5090 ccw(c2685,5040) 2635,5040 2635,4955 cw(c2585,4955) 2585,4905 1925,4905 1175,4905 ccw(c1175,4855) 1125,4855 1125,1850 ; 5389.62,1138.05 5829.19,2173.62 6519.57,1880.57 6080,845 5389.62,1138.05